# KiCad board B-Sides 2024.kicad_pcb (continued)
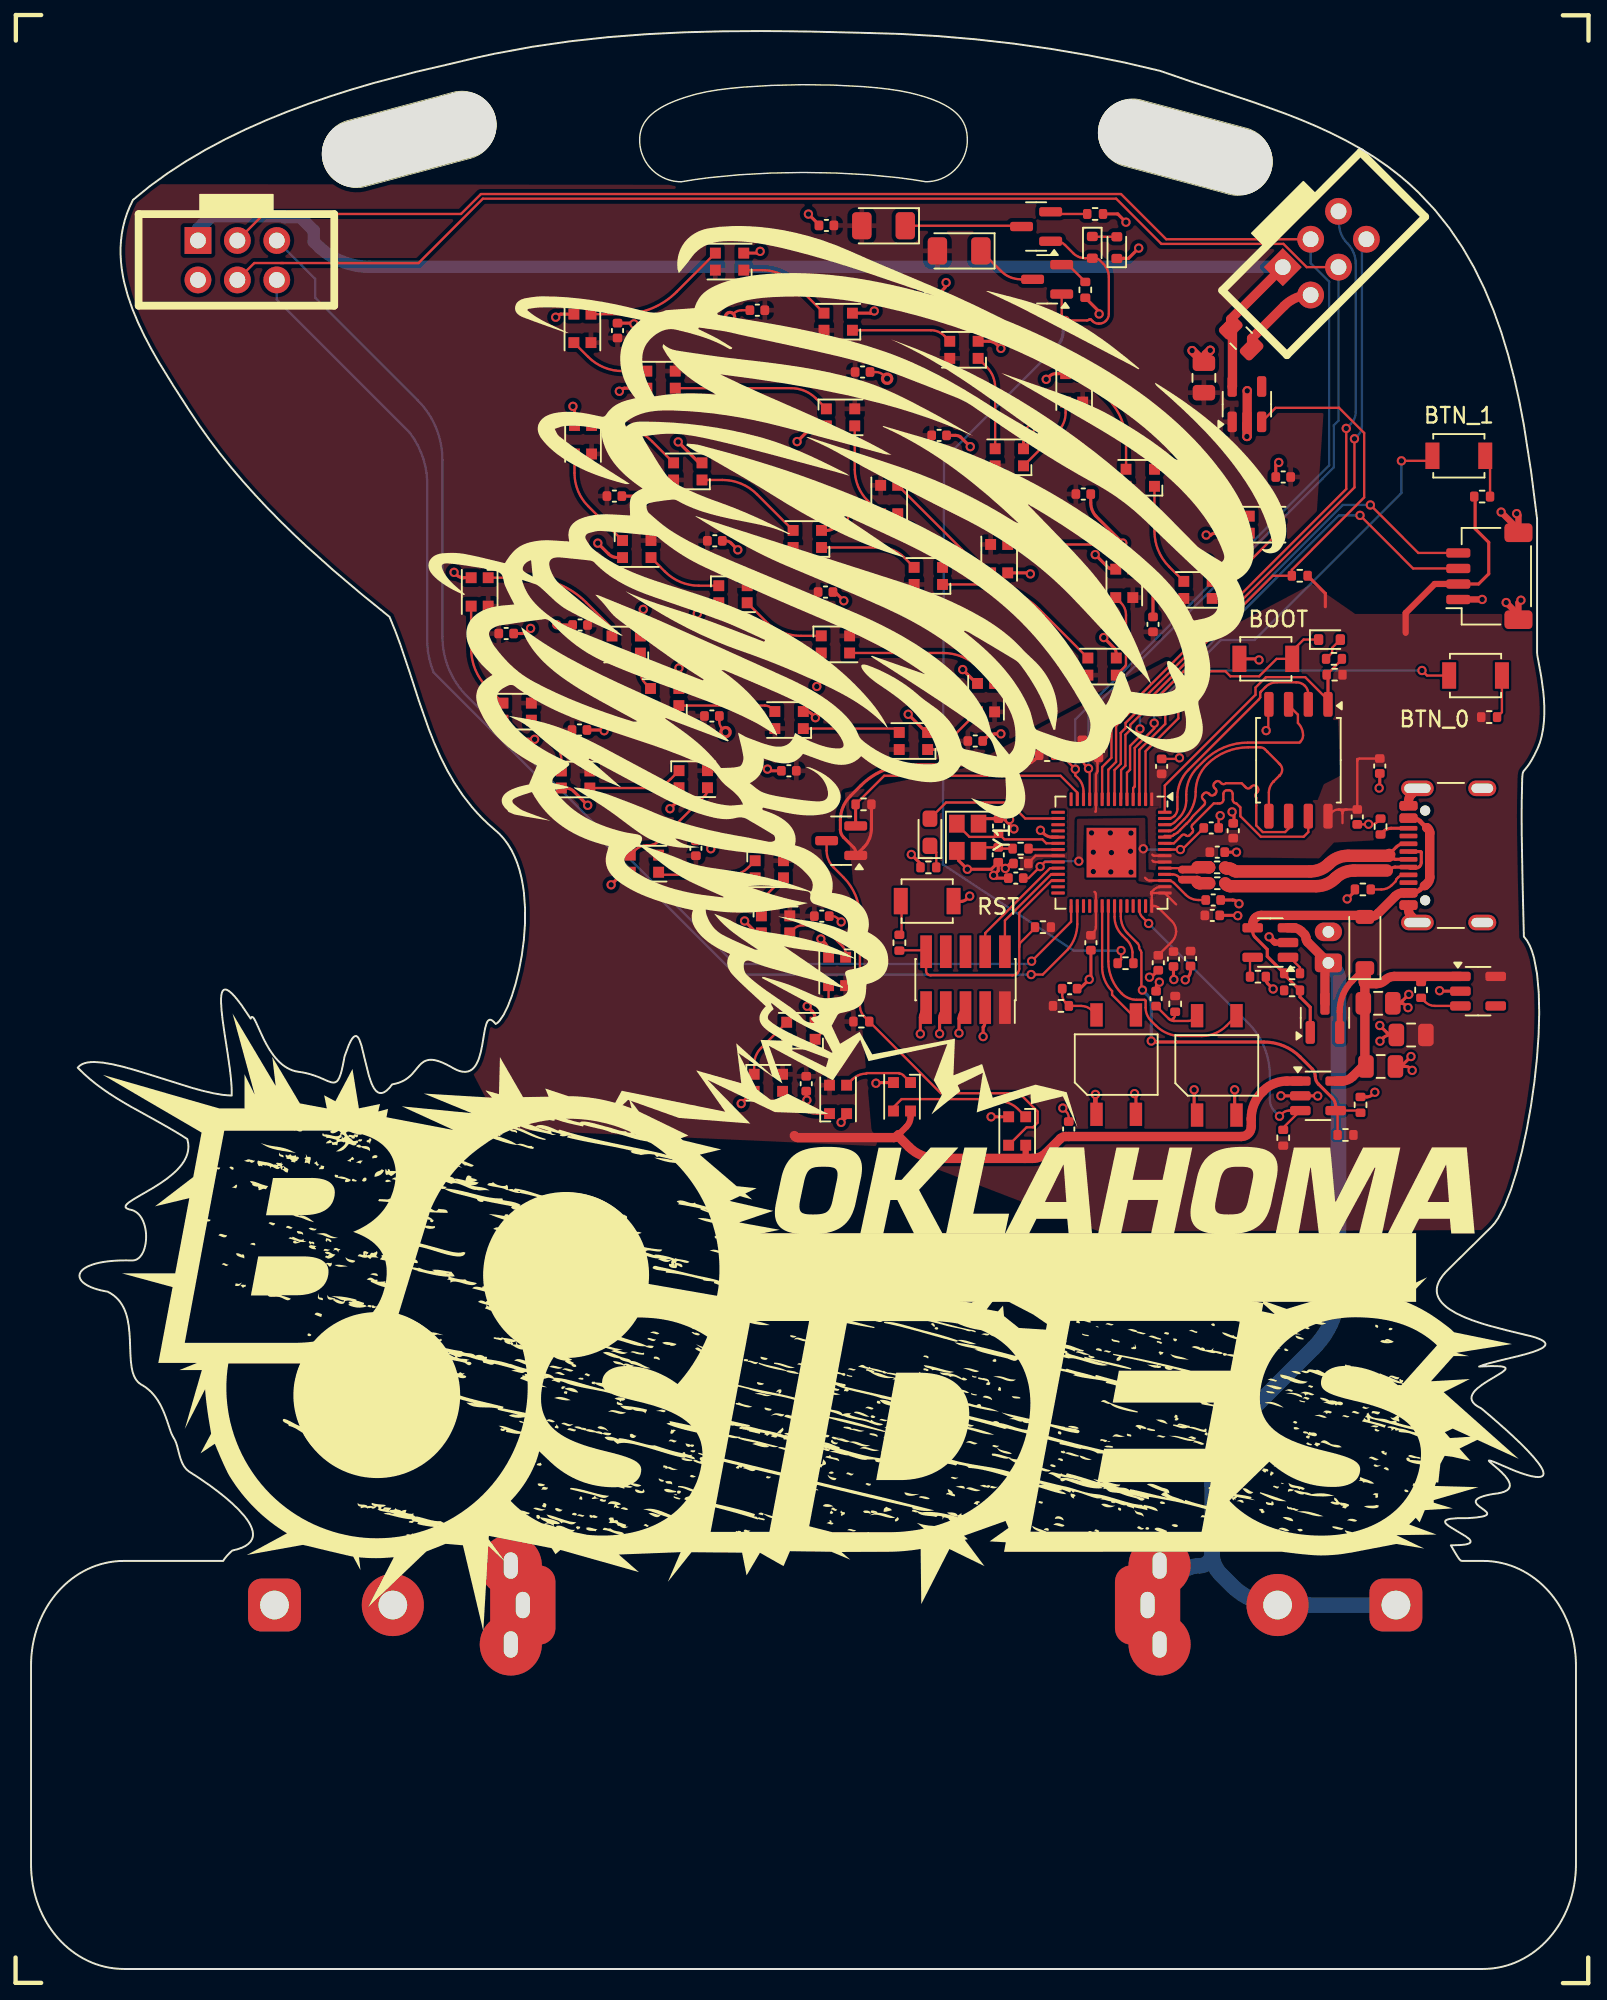
[diagram p0: board, top side]
## Nets
+1V2: C11.1 C40.1 C41.1 U3.23 U3.45 U3.50
+3.3V: C5.1 C10.1 C17.1 C44.1 C45.1 C46.1 C47.1 C48.1 C49.1 C50.1 C51.1 C52.1 C53.1 J1.2 J13.1 Q2.1 R4.1 R8.1 R9.1 R12.1 R13.1 R14.1 R15.2 R16.1 R28.1 R29.1 R30.1 R38.1 U3.1 U3.10 U3.22 U3.33 U3.42 U3.43 U3.44 U3.48 U3.49 U4.5 U8.8
/VBAT: J2.1 J10.1 Q4.3 U7.3
GND: C1.2 C2.2 C3.2 C4.2 C5.2 C6.2 C7.2 C8.2 C10.2 C11.2 C12.2 C13.2 C14.2 C15.2 C16.2 C17.2 C18.2 C19.2 C20.2 C21.2 C22.2 C23.2 C24.2 C25.2 C26.2 C27.2 C28.2 C29.2 C30.2 C31.2 C32.2 C33.2 C40.2 C41.2 C42.1 C43.2 C44.2 C45.2 C46.2 C47.2 C48.2 C49.2 C50.2 C51.2 C52.2 C53.2 D4.1 D5.2 D6.2 D7.2 D9.2 D10.2 D11.2 D12.2 D13.2 D14.2 D15.2 D16.2 D17.2 D18.2 D19.2 D20.2 D21.2 D22.2 D23.2 D24.2 D25.2 D26.2 D27.2 D28.2 D29.2 D30.2 D31.2 D32.2 D33.2 D34.2 D35.2 D36.2 D37.2 D39.2 D40.2 D41.2 D42.2 D43.2 D44.2 D45.2 D46.2 J1.1 J1.MP J3.2 J4.2 J5.1 J9.A1 J9.A12 J9.B1 J9.B12 J9.S1 J10.2 J13.3 J13.5 J13.7 J13.9 R1.1 R3.2 R10.2 R11.2 R18.2 R19.2 R26.1 R39.2 SW1.1 SW2.2 U1.1 U1.2 U2.2 U3.19 U3.57 U4.2 U7.2 U8.4 U9.1 U9.2 U10.2 Y1.2 Y1.4
/A0: U3.38
/A1: U3.39
/A2: R8.2 U3.40 U10.3
/A3: U3.41
/Battery_VIN: C4.1 C16.1 D48.1 Q4.2 R5.1 U4.1 U10.5
/CS/MISO_0: J3.5 U3.29
/CS/MISO_1: J4.5 U3.9
/D4: J4.6 U3.8
/D6: J3.4 J4.4 R29.2 U3.11
/D9: J3.3 J4.3 R30.2 U3.12
/D10: Q2.2 R38.2 U3.13
/D11: U3.14
/D12: U3.15
/D13: D2.2 U3.16
/D24: R2.1 U3.36
/D25: R3.1 R4.2 U3.37 U10.4
/D+: J9.A6 J9.B6 R24.1
/D-: J9.A7 J9.B7 R25.1
/DIO: D30.3 Q2.3 R37.1
/DIO_1: D22.3 D37.1
/DIO_2: D14.3 D29.1
/DIO_3: D5.3 D21.1
/DIO_4: D13.1 D39.3
/GPIO0: SW4.1 U3.2
/GPIO1: SW3.1 U3.3
/GPIO2: J1.3 U3.4
/GPIO3: J1.4 U3.5
/GPIO4: D1.1 SW1.2 U3.6
/GPIO5: R13.2 U2.3 U3.7
/GPIO14: U3.17
/GPIO15: U3.18
/GPIO16: U3.27
/GPIO17: U3.28
/GPIO19: J3.6 U3.30
/GPIO20: U3.31
/GPIO21: U3.32
/GPIO22: U1.3 U3.34
/GPIO23: U3.35 U9.3
/LED_VIN: C3.1 C6.1 C7.1 C12.1 C13.1 C14.1 C15.1 C18.1 C19.1 C20.1 C21.1 C22.1 C23.1 C24.1 C25.1 C26.1 C27.1 C28.1 C29.1 C30.1 C31.1 C32.1 C33.1 D5.4 D6.4 D7.4 D9.4 D10.4 D11.4 D12.4 D13.4 D14.4 D15.4 D16.4 D17.4 D18.4 D19.4 D20.4 D21.4 D22.4 D23.4 D24.4 D25.4 D26.4 D27.4 D28.4 D29.4 D30.4 D31.4 D32.4 D33.4 D34.4 D35.4 D36.4 D37.4 D39.4 D40.4 D41.4 D42.4 D43.4 D44.4 D45.4 D46.4 LD1.2 LD2.2 R37.2 U2.1 U10.1
/RESET: J13.10 R6.2 R15.1 U3.26
/SAO_VIN: C8.1 J3.1 J4.1 U2.5
/SD0: U3.53 U8.5
/SD1: U3.55 U8.2
/SD2: U3.54 U8.3
/SD3: U3.51 U8.7
/spi_clk: U3.52 U8.6
/SPI_CS: R7.2 R28.2 U3.56 U8.1
/SWCLK: J13.4 U3.24
/SWD: J13.2 U3.25
/USB_D+: NT5.2 R24.2
/USB_D-: NT6.2 R25.2
/V_USB: D48.2 J9.A4 J9.A9 J9.B4 J9.B9 Q4.1 R17.1 R39.1 U7.4
/XIN: C43.1 U3.20 Y1.1
/XOUT: R36.1 U3.21
Net-(C42-Pad2): C42.2 R36.2 Y1.3
Net-(D1-A): D1.2 R7.1
Net-(D2-K): D2.1 R1.2
Net-(D3-A): D3.2 Q1.1 Q3.1 R2.2
Net-(D3-K): D3.1 D4.2
Net-(D5-DOUT): D5.1 D6.3
Net-(D6-DOUT): D6.1 D7.3
Net-(D7-DOUT): D7.1 D9.3
Net-(D10-DIN): D9.1 D10.3
Net-(D10-DOUT): D10.1 D11.3
Net-(D11-DOUT): D11.1 D12.3
Net-(D12-DOUT): D12.1 D13.3
Net-(D14-DOUT): D14.1 D15.3
Net-(D15-DOUT): D15.1 D16.3
Net-(D16-DOUT): D16.1 D17.3
Net-(D17-DOUT): D17.1 D18.3
Net-(D18-DOUT): D18.1 D19.3
Net-(D19-DOUT): D19.1 D20.3
Net-(D20-DOUT): D20.1 D21.3
Net-(D22-DOUT): D22.1 D23.3
Net-(D23-DOUT): D23.1 D24.3
Net-(D24-DOUT): D24.1 D25.3
Net-(D25-DOUT): D25.1 D26.3
Net-(D26-DOUT): D26.1 D27.3
Net-(D27-DOUT): D27.1 D28.3
Net-(D28-DOUT): D28.1 D29.3
Net-(D30-DOUT): D30.1 D31.3
Net-(D31-DOUT): D31.1 D32.3
Net-(D32-DOUT): D32.1 D33.3
Net-(D33-DOUT): D33.1 D34.3
Net-(D34-DOUT): D34.1 D35.3
Net-(D35-DOUT): D35.1 D36.3
Net-(D36-DOUT): D36.1 D37.3
Net-(D39-DOUT): D39.1 D40.3
Net-(D40-DOUT): D40.1 D41.3
Net-(D41-DOUT): D41.1 D42.3
Net-(D42-DOUT): D42.1 D43.3
Net-(D43-DOUT): D43.1 D44.3
Net-(D44-DOUT): D44.1 D45.3
Net-(D45-DOUT): D45.1 D46.3
Net-(J9-CC1): J9.A5 R19.1
Net-(J9-CC2): J9.B5 R18.1
Net-(LD1-C): LD1.1 Q1.3
Net-(LD2-C): LD2.1 Q3.3
Net-(Q1-E): Q1.2 R11.1
Net-(Q3-E): Q3.2 R10.1
Net-(R6-Pad1): R6.1 SW2.1
Net-(R14-Pad2): R14.2 SW3.2
Net-(R16-Pad2): R16.2 SW4.2
Net-(U1-Vs): C1.1 R12.2 U1.4
Net-(U3-USB_DM): NT6.1 U3.46
Net-(U3-USB_DP): NT5.1 U3.47
Net-(U4-EN): R5.2 U4.3
Net-(U7-CEN): R17.2 U7.1
Net-(U7-PROG): R26.2 U7.5
Net-(U9-Vs): C2.1 R9.2 U9.4

Pads without a net: D46 1; J9 A8 B8; J13 6 8; U2 4; U4 4

## Via types
v1: diameter 0.6, hole 0.35, Top to Bottom, 149 vias
v2: diameter 0.8, hole 0.4, Top to Bottom, 3 vias

## Routing (per net, layer and track width the routed paths; a pad name or vN(x,y) marks a point on that pad's centre or on a via; arc(x,y) is an arc through that point)
+1V2: length 15.2
  Top w0.15: U3.23 65.31,71.29 v1(65.01,70.99) 64.27,70.25 C40.1 ; C41.1 74.2,72.13 arc(74.16,72.1) 74.11,72.09 v1(74.05,72.09) U3.50 ; C11.1 75.21,68.84 arc(74.77,68.92) 74.39,69.17 73.64,69.93 arc(73.46,70.04) 73.26,70.09 72.08,70.09 arc(71.96,70.11) 71.86,70.18 71.77,70.27
  Bottom w0.15: v1(74.05,72.09) 71.74,72.09 arc(71.71,72.09) 71.68,72.11 v1(71.66,72.14) ; v1(67.5,71.34) 65.36,71.34 v1(65.01,70.99)
+3.3V: length 64.5
  Top w0.15: 84.49,74.41 84.49,73.79 ; 84.49,74.41 arc(84.42,74.59) 84.24,74.67 ; 84.49,74.41 arc(84.56,74.59) 84.74,74.67 ; R29.1 68.77,78.13 ; 68.57,74.53 68.59,74.54 arc(68.6,74.56) 68.61,74.58 U3.10 68.61,76.89 arc(68.62,76.96) 68.66,77.01 arc(68.69,77.07) 68.71,77.13 68.71,77.66 arc(68.69,77.72) 68.66,77.78 68.61,77.83 ; 85.44,77.79 85.44,77.92 arc(85.46,77.89) 85.49,77.9 ; 85.44,77.79 C10.1 84.74,74.67 ; 85.44,77.79 arc(85.45,77.85) 85.49,77.9 ; C50.1 73.5,66.15 arc(73.7,66.45) 73.77,66.81 arc(73.7,67.17) 73.5,67.48 72.64,68.33 arc(72.52,68.42) 72.37,68.45 U3.42 72.21,69.14 arc(72.19,69.2) 72.16,69.24 ; 73.77,68.56 U3.43 72.18,69.29 ; 72.24,71.38 72.29,71.33 arc(72.34,71.3) 72.4,71.29 U3.48 ; 68.51,69.37 68.56,69.32 arc(68.59,69.27) 68.61,69.21 U3.33 68.61,67.12 arc(68.56,66.9) 68.44,66.73 C48.1 ; 72.16,69.33 72.34,69.5 arc(72.54,69.64) 72.78,69.69 U3.44 ; 72.16,69.33 arc(72.15,69.29) 72.16,69.24 ; 72.16,69.33 arc(72.16,69.3) 72.18,69.29 ; 72.24,71.76 72.28,71.72 arc(72.32,71.69) 72.36,71.69 U3.49 ; 84.74,74.67 84.24,74.67 ; 72.18,69.29 arc(72.16,69.27) 72.16,69.24 ; C46.1 64.25,71.22 64.72,71.69 U3.22 ; 84.24,74.67 arc(84.01,74.62) 83.81,74.49 U8.8 ; C17.1 85.6,77.95 arc(85.54,77.93) 85.49,77.9
  Top w0.2: J1.2 93.26,89.19 93.91,89.84 93.91,91.87 93.04,92.74 93.04,94.76 R14.1 ; R38.1 54.14,73.43 arc(54.01,72.77) 53.64,72.21 53.27,71.84 arc(53.18,71.82) 53.13,71.9 arc(53.1,72.07) 53,72.22 52.35,72.87 arc(52.2,73.1) 52.14,73.36 52.14,73.98 arc(52.31,74.82) 52.78,75.53 53.47,76.22 arc(54.95,77.2) 56.68,77.55 63.89,77.55 arc(64.3,77.63) 64.64,77.86 R30.1 ; 83.39,87.72 83.39,88.58 R13.1
  Top w0.4: 88.56,86.04 88.56,87.32 90.43,89.19 J1.2
/VBAT: length 71.9
  Top w0.6: 83.36,64.57 Q4.3 ; U7.3 81.3,67.05 arc(81.59,66.99) 81.84,66.82 82.04,66.62 arc(82.12,66.51) 82.14,66.37 arc(82.17,66.24) 82.25,66.12 J10.1
  Bottom w1: 71.96,23.43 71.96,21.66 72.73,20.89 ; 71.96,23.43 72.73,24.2 72.73,25.97 ; 71.96,23.43 73.93,25.4 arc(74.56,25.82) 75.3,25.97 arc(75.86,26.2) 76.09,26.76 ; 76.09,26.76 76.09,31.2 arc(76.51,33.28) 77.69,35.05 82.64,40 arc(83.82,41.77) 84.23,43.85 84.23,63.68 arc(84.15,64.1) 83.91,64.46 J10.1 ; 76.09,26.76 arc(76.24,26.03) 76.66,25.4 77.36,24.7 arc(78.77,23.76) 80.43,23.43 87.96,23.43
GND: length 175.1
  Top w0.15: v2(55.15,102.41) 54.94,102.62 arc(54.7,102.78) 54.42,102.84 C25.2 ; 79.71,81.12 79.71,79.89 v1(79.57,79.75) ; C15.2 51.62,67.8 arc(51.81,67.76) 51.96,67.65 v1(52.19,67.43) ; C32.2 66.85,54.81 arc(66.81,55.04) 66.68,55.23 v1(66.47,55.44) ; v2(45.03,106.38) 45.25,106.6 arc(45.5,106.76) 45.78,106.82 C30.2 ; R18.2 86.73,73.86 arc(86.57,73.75) 86.38,73.72 v1(86.17,73.72) 86.17,73.71 arc(86.16,73.71) 86.16,73.71 C10.2 ; v1(76.61,74.27) 76.56,74.22 arc(76.53,74.16) 76.51,74.09 C41.2 ; v2(44.74,79.65) 44.54,79.85 arc(44.4,80.07) 44.34,80.33 C18.2 ; v1(73.99,77.99) 73.92,77.92 C51.2
  Top w0.2: C40.2 62.19,70.25 v1(62.01,70.43) 62.31,70.73 C42.1 61.86,70.82 v1(60.32,70.82) 59.77,71.37 59.77,72.15 ; D24.2 34.46,76.05 arc(34.73,75.99) 34.96,75.84 v1(35.86,74.94) ; D45.2 76.1,90.34 v1(75.78,90.66) ; D18.2 37.78,90.89 arc(37.47,90.95) 37.21,91.12 v1(36.51,91.82) ; v1(86.9,59.75) 87.1,59.95 arc(87.32,60.09) 87.59,60.15 87.73,60.15 arc(87.52,60.19) 87.34,60.31 v1(86.89,60.76) ; v1(88.98,57.87) 88.86,57.99 arc(88.72,58.08) 88.56,58.12 C16.2 ; D31.2 54.51,57.08 arc(54.48,57.07) 54.46,57.06 v1(54.43,57.04) ; v1(42.92,87.27) 43.39,87.74 arc(43.66,87.91) 43.97,87.98 D17.2 ; v1(45.75,55.73) 46.54,56.52 ; D35.2 51.38,65.49 arc(51.32,65.8) 51.14,66.06 v1(50.88,66.33) ; D13.2 34.14,106.56 arc(34.01,106.53) 33.9,106.46 v1(33.8,106.37) ; v1(50.62,82.59) 50.77,82.73 arc(50.87,82.89) 50.91,83.07 D16.2 ; v1(45.53,91.39) 45.1,91.82 arc(44.94,91.93) 44.74,91.97 C24.2 ; v1(45.9,69.58) 46.59,70.27 ; v1(62.48,104.36) 62.25,104.59 arc(62,104.76) 61.7,104.82 D41.2 ; R3.2 86.06,56.16 arc(86.26,56.19) 86.42,56.31 v1(86.57,56.46) ; 67.57,63.13 v1(68.17,63.73) 68.23,63.78 arc(68.27,63.84) 68.28,63.91 C48.2 ; v1(58.2,91.55) 58.48,91.55 58.64,91.39 arc(58.7,91.27) 58.72,91.14 D5.2 ; J13.9 57.48,61.72 arc(57.34,61.52) 57.29,61.27 v1(57.29,60.22) ; v1(50,62) 50.33,61.67 arc(50.47,61.47) 50.51,61.23 D34.2 ; C13.2 33.91,86.55 arc(33.89,86.55) 33.88,86.56 v1(33.87,86.57) ; v1(86.85,76.05) 86.87,76.07 arc(86.89,76.09) 86.89,76.11 C17.2 ; D46.2 76.3,92.46 arc(76.15,92.43) 76.03,92.37 76,92.34 v1(75.71,92.34) ; v1(41.16,74.72) 41.48,75.03 arc(41.68,75.33) 41.75,75.68 D23.2 ; v1(36.92,79.74) 36.9,79.76 arc(36.87,79.78) 36.84,79.79 C22.2 ; C11.2 77.41,68.84 arc(77.57,68.8) 77.7,68.72 v1(77.82,68.6) ; v1(70.54,112.48) 70.01,113.02 R10.2 ; v1(49.35,98.36) 50.05,99.06 arc(50.4,99.28) 50.8,99.37 D11.2 ; D6.2 69.92,84.67 arc(69.89,84.87) 69.79,85.05 69.11,85.73 v1(69.11,85.74) ; C43.2 62.98,74.08 v1(63.04,74.02) ; C43.2 61.37,74.08 60.92,73.63 60.92,73.6 ; C43.2 62.66,74.08 v1(63.32,73.42) ; v1(52.4,93.44) 51.84,92.87 arc(51.58,92.7) 51.27,92.64 50.93,92.64 ; v1(64.38,89.84) 64.35,89.87 arc(64.31,89.89) 64.27,89.9 D9.2 ; v1(52.36,88.11) 51.8,88.67 ; C12.2 61.54,79.31 arc(61.8,79.48) 62.1,79.54 v1(62.48,79.54) ; D29.2 49.94,80.98 arc(50.12,80.94) 50.27,80.84 v1(50.53,80.58) ; v1(72.69,63.55) 72.59,63.44 arc(72.51,63.32) 72.48,63.19 C2.2 ; C47.2 74.7,64.28 arc(74.66,64.05) 74.53,63.87 v1(74.36,63.7) ; v1(60.51,98.03) 60.51,98.03 59.89,98.64 arc(59.73,98.73) 59.56,98.76 C26.2 ; J13.3 61.47,61.07 arc(61.45,60.87) 61.38,60.69 61.34,60.65 v1(61.34,60.04) ; U3.19 65.78,72.89 arc(65.5,72.94) 65.25,73.11 v1(65.03,73.33) ; D12.2 38.24,101.8 arc(38.11,101.77) 38,101.7 v1(37.9,101.6) ; v1(68.81,106.58) 68.81,106.65 arc(68.8,106.72) 68.76,106.78 R11.2 ; C29.2 39.17,94.85 arc(39.27,94.83) 39.34,94.78 v1(39.41,94.71) ; v1(62.77,70.87) 63.08,71.19 C46.2 ; 92.09,62.97 90.8,62.97 arc(90.78,62.97) 90.76,62.98 v1(90.75,63) ; v1(46.97,110.61) 46.92,110.55 arc(46.86,110.51) 46.79,110.5 D39.2 ; v1(38.84,105.94) 38.82,105.96 arc(38.79,105.98) 38.76,105.99 37.94,105.99 ; D43.2 66.03,102.73 arc(65.79,102.68) 65.59,102.55 v1(65.4,102.37) ; v1(68.99,79.81) 68.88,79.7 arc(68.8,79.57) 68.77,79.43 C53.2 ; R26.1 79.55,63.74 arc(79.58,63.59) 79.67,63.46 v1(80.02,63.11) ; v1(47.44,77.27) 47.5,77.21 arc(47.56,77.17) 47.63,77.16 C27.2 ; D26.2 27.84,89.59 arc(27.62,89.63) 27.43,89.76 v1(27.25,89.94) ; C31.2 49.94,56.01 arc(49.95,55.99) 49.96,55.97 v1(49.98,55.95) ; v1(72.42,89.04) 72.28,88.91 C23.2 ; v1(50.08,113.01) 50.76,112.33 ; C52.2 73.6,63.75 arc(73.61,63.74) 73.61,63.73 v1(73.63,63.72) ; v1(58.95,108.6) 58.95,108.47 arc(58.93,108.35) 58.86,108.26 58.2,107.6 ; D40.2 54.08,106.63 arc(54.18,106.64) 54.25,106.7 v1(54.32,106.77) ; v1(88.9,58.76) 88.26,58.12 ; v1(32.18,86.33) 32.02,86.16 arc(31.84,86.04) 31.62,86 C28.2 ; v1(61.85,54.88) D30.2 ; C20.2 68.27,94.43 arc(68.35,93.97) 68.59,93.57 70.34,91.82 v1(70.34,91.82) ; v1(79.11,84.3) 79.04,84.37 SW1.1 ; v1(45.97,67.49) 46.63,66.82 arc(46.75,66.74) 46.9,66.72 D36.2 ; v1(58.53,60.23) 58.53,61.22 arc(58.59,61.48) 58.73,61.71 J13.7 ; J13.5 59.99,61.7 arc(59.84,61.46) 59.78,61.19 v1(59.78,60.27) ; v1(72.06,63.87) 72.12,63.87 arc(72.17,63.88) 72.21,63.91 C50.2 ; v1(56.51,80.8) 57.68,79.63 ; D27.2 39.26,87.24 arc(39.28,87.36) 39.35,87.46 v1(39.44,87.56) ; 35.01,99.39 35.01,100.45 arc(35,100.52) 34.96,100.58 v1(34.91,100.63) ; U9.2 77.54,55.11 v1(77.54,56.62) ; D22.2 38.39,70.63 arc(38.2,70.59) 38.03,70.48 v1(37.37,69.82) ; v1(74.93,56.62) 74.93,55.18 ; v1(41.74,83.78) 41.74,83.77 arc(41.74,83.77) 41.74,83.77 D28.2 ; D42.2 63.94,98.39 arc(64,98.68) 64.16,98.93 v1(64.38,99.15) ; C21.2 80.19,96.82 v1(80.39,97.01) ; v1(60.02,83.68) 60.92,82.78 ; 70.4,110.17 70.39,110.16 arc(70.38,110.15) 70.37,110.15 D4.1 70.69,110.15 v1(71.36,110.82) ; v1(82.89,56.22) 82.89,56.22 arc(82.88,56.22) 82.88,56.23 U10.2 v1(80.52,56.23) ; v1(43.79,72.14) 43.44,72.49 arc(43.27,72.6) 43.06,72.65 C33.2 ; v1(32.44,79.19) 32.04,79.19 arc(31.66,79.26) 31.35,79.47 D25.2 ; v1(41.69,98.34) 43.04,96.99 ; v1(71.09,56.37) 71.14,56.32 arc(71.17,56.27) 71.18,56.21 U1.2 ; R1.1 57.3,71.18 v1(56.71,71.77) ; D32.2 52.54,54.98 arc(52.52,54.88) 52.47,54.8 v1(52.19,54.52) ; SW2.2 59.45,68.75 59.97,68.75 arc(60.15,68.8) 60.3,68.92 v1(60.47,69.09) ; v1(77.74,67.83) 77.73,67.84 arc(77.72,67.84) 77.71,67.85 C44.2 ; v1(56.59,92.73) 55.84,93.48 ; 77.5,73.83 77.5,74.38 v1(77.38,74.51) ; v1(88.71,61.91) 88.57,62.05 arc(88.42,62.15) 88.24,62.19 87.96,62.19 arc(88.18,62.23) 88.36,62.35 v1(88.76,62.76) ; v1(84.79,68.91) 85.29,69.41 ; v1(68.56,91.08) 68.56,91.08 69.41,90.23 arc(69.54,90.16) 69.69,90.14 D7.2 ; v1(73.42,97.04) 73.42,96.52 73.37,96.47 arc(73.17,96.55) 72.96,96.58 D44.2 ; v1(77.66,71.92) C45.2
  Top w0.3: v1(68.57,56.32) 68.57,55.11
  Top w0.4: v1(94.71,93.82) 95.83,92.7 J1.MP 95.83,93.6 v1(95.71,93.72) ; U7.2 80.16,66.1 arc(80.13,66.1) 80.11,66.11 79.76,66.45 v1(79.76,66.47) ; v1(93.49,88.19) 91.96,88.19 J1.1 ; v1(95.99,88.14) 95.83,87.98 J1.MP 95.83,87.2 v1(95.04,87.99)
  Top w0.6: C8.2 78.63,105 80.73,107.09 arc(81.53,107.63) 82.47,107.82 ; v1(78.35,101.63) 78.35,98.71 v1(78.33,98.69) ; J9.S1 88.94,75.64 arc(88.79,75.43) 88.74,75.18 arc(88.66,74.98) 88.47,74.91 ; v1(75.97,104.24) 75.71,103.97 arc(75.6,103.81) 75.56,103.62 75.56,103.43 arc(75.56,103.45) 75.55,103.47 v1(74.8,104.22) ; J9.A1 88.74,68.23 arc(88.79,67.98) 88.94,67.77 J9.S1
  Bottom w0.6: 78.33,99.52 v1(78.33,98.69)
  vias: v1(68.32,73.16) v1(68.44,71.92) v1(68.44,70.67) v1(69.53,73.16) v1(69.61,71.89) v1(69.56,70.65) v1(70.86,73.15) v1(70.83,71.98) v1(70.86,70.63)
/A2: length 20
  Top w0.15: U3.40 71.41,68.19 arc(71.45,67.94) 71.59,67.74 v1(72,67.33) ; 80.67,54.17 U10.3 81.05,55.28 arc(80.82,55.23) 80.61,55.09 v1(80.43,54.91)
  Bottom w0.15: v1(80.43,54.91) 80.12,55.22 arc(79.89,55.57) 79.81,55.97 79.81,57.52 arc(79.45,59.36) 78.4,60.92 v1(72,67.33)
/Battery_VIN: length 22.2
  Top w0.4: R5.1 89.74,63.74 arc(89.93,63.87) 90.17,63.92 92.09,63.92 ; Q4.2 84.31,61.68 arc(84.52,62.74) 85.12,63.64 D48.1
  Top w0.6: 85.93,63.46 85.93,58.26 85.14,57.46 arc(84.82,57.25) 84.45,57.18 U10.5 ; 85.93,63.46 85.93,63.55 ; 85.93,63.46 arc(85.94,63.48) 85.96,63.48 arc(86,63.45) 86.04,63.45 86.68,63.45 arc(86.99,63.51) 87.25,63.68 arc(87.51,63.85) 87.82,63.92 92.09,63.92
  Top w0.8: D48.1 85.93,63.55 arc(85.94,63.51) 85.96,63.48
/CS/MISO_0: length 82.2
  Top w0.15: U3.29 67.01,67.44 v1(64.46,64.9)
  Bottom w0.15: J3.5 18.3,108.84 18.3,107.63 24.91,101.02 arc(26.09,99.25) 26.5,97.17 26.5,85.8 arc(26.92,83.72) 28.1,81.95 45.33,64.72 64.28,64.72 v1(64.46,64.9)
/CS/MISO_1: length 44.9
  Top w0.15: U3.9 69.01,77.4 69.61,78 69.61,80.17 84.73,95.3 v1(84.73,99.21)
  Bottom w0.15: 84.27,113.2 84.27,112.42 arc(84.41,111.72) 84.81,111.12 arc(85.2,110.53) 85.34,109.82 85.34,100.25 arc(85.26,99.85) 85.04,99.51 v1(84.73,99.21)
/D4: length 42.9
  Top w0.15: v1(85.26,98.54) 85.26,95.41 69.91,80.05 69.91,77.73 69.41,77.23 U3.8
  Bottom w0.15: J4.6 85.74,111.1 85.74,99.35 arc(85.68,99.04) 85.5,98.78 v1(85.26,98.54)
/D6: length 117.8
  Top w0.15: J3.4 14.38,109.85 16.25,109.85 ; U3.11 68.21,77.17 arc(68.2,77.22) 68.17,77.26 v1(68.13,77.3) 67.9,77.53 arc(67.78,77.71) 67.74,77.91 R29.2 ; J4.4 82.18,109.59 80.69,111.09 72.82,111.09 69.91,114 29.11,114 24.97,109.85 16.09,109.85 ; 83.51,109.61 84.27,109.61
  Bottom w0.15: J4.4 84.24,99.71 83.93,99.4 83.93,96.7 83.19,95.96 83.19,95.95 68.13,80.89 v1(68.13,77.3)
/D9: length 117.5
  Top w0.15: 13.29,112.05 J3.3 15,113.02 27.7,113.02 28.98,114.3 70.22,114.3 73.13,111.39 J4.3 ; 82.42,111.41 82.47,111.41 ; U3.12 67.81,75.83 arc(67.71,76.29) 67.45,76.69 67.28,76.86 v1(67.28,77.26) 66.52,78.02 arc(66.36,78.13) 66.17,78.17 arc(66.1,78.11) 66.11,78.02
  Bottom w0.15: J4.3 82.44,109.85 83.63,108.65 83.63,96.83 67.28,80.47 v1(67.28,77.26)
/D10: length 17.3
  Top w0.15: R38.2 54.96,76.84 66.33,76.84 67.41,75.76 U3.13
  Top w0.2: R38.2 53.12,73.61
/D13: length 9.1
  Top w0.15: U3.16 64.05,74.09 63.02,75.12 58.96,75.12 D2.2
/D24: length 4.1
  Top w0.15: U3.36 69.81,67.75 arc(69.93,67.11) 70.3,66.57 70.59,66.28 arc(70.85,65.91) 70.96,65.47 70.96,64.83 R2.1
/D25: length 26.3
  Top w0.15: 84.35,55.28 85.51,55.28 ; U3.37 70.21,67.79 arc(70.33,67.18) 70.67,66.66 71.3,66.04 arc(71.36,65.94) 71.39,65.82 71.39,65.79 arc(71.41,65.69) 71.46,65.61 arc(71.51,65.53) 71.53,65.44 71.53,63.15 arc(71.54,63.11) 71.57,63.07 v1(71.6,63.04) ; R4.2 84.17,55.15
  Top w0.2: v1(72.17,59.76) 72.21,59.72 arc(72.24,59.7) 72.28,59.69 79.44,59.69 arc(80.7,59.44) 81.77,58.73 82.53,57.96 arc(82.69,57.74) 82.74,57.47 arc(82.79,57.21) 82.94,56.98 83.84,56.08 arc(84,55.85) 84.05,55.57 arc(84.14,55.36) 84.35,55.28
  Bottom w0.2: v1(72.17,59.76) 72.17,62.06 arc(72.1,62.43) 71.89,62.75 v1(71.6,63.04)
/D+: length 14
  Top w0.2: J9.A6 87.89,71.46 arc(87.74,71.48) 87.62,71.57 87.54,71.64 ; 87.54,71.64 arc(87.52,71.69) 87.51,71.74 arc(87.52,71.79) 87.54,71.83 87.96,72.25 arc(88.19,72.4) 88.46,72.46 J9.B6 ; 87.54,71.64 arc(87.5,71.67) 87.45,71.68
  Top w0.8: R24.1 76.96,70.9 arc(77,70.87) 77.04,70.87 77.19,70.87 arc(77.32,70.84) 77.42,70.77 arc(77.53,70.7) 77.65,70.68 82.41,70.68 arc(83.07,70.81) 83.62,71.18 arc(84.18,71.55) 84.84,71.68 87.45,71.68 arc(87.49,71.7) 87.51,71.74
/D-: length 14.8
  Top w0.2: J9.A7 89.5,71.96 arc(89.53,71.95) 89.55,71.94 arc(89.56,71.91) 89.57,71.89 89.57,71.26 arc(89.54,71.11) 89.46,70.99 arc(89.34,70.91) 89.19,70.88 88.87,70.88 arc(88.82,70.89) 88.78,70.92 arc(88.74,70.95) 88.69,70.96 87.89,70.96 arc(87.74,70.93) 87.62,70.84 arc(87.49,70.76) 87.35,70.73
  Top w0.8: R25.1 77.03,69.82 arc(77.13,69.75) 77.26,69.73 82.8,69.73 arc(83.46,69.86) 84.02,70.23 arc(84.58,70.6) 85.23,70.73 87.35,70.73
/DIO: length 29
  Top w0.15: D30.3 64.14,54.2 64.55,54.2 64.85,54.5 64.85,55.21 63.67,56.39 58.62,56.39 R37.1 53.7,61.31 arc(53.48,61.64) 53.4,62.03 53.4,67.72 arc(53.12,69.12) 52.33,70.31 51.71,70.93 arc(51.37,71.43) 51.26,72.02 Q2.3
/DIO_1: length 6.4
  Top w0.15: D37.1 46.2,70.91 arc(45.69,70.58) 45.1,70.46 40.6,70.46
/DIO_2: length 5.9
  Top w0.15: D29.1 55.68,79.88
/DIO_3: length 6.4
  Top w0.15: D5.3 56.25,90.9 arc(55.54,91.37) 54.71,91.54 50.93,91.54
/DIO_4: length 9.4
  Top w0.15: D39.3 41.6,108 arc(40,106.93) 38.11,106.56 D13.1
/GPIO0: length 25.7
  Top w0.15: v1(73.91,81.9) 73.91,80.53 71.81,78.42 U3.2 ; SW4.1 89.94,83.29 v1(89.61,83.62)
  Bottom w0.15: v1(73.91,81.9) 75.63,83.62 v1(89.61,83.62)
/GPIO1: length 32.2
  Top w0.15: v1(88.29,97.12) 89.96,97.12 SW3.1 ; v1(73.07,81.09) 73.07,80.18 71.41,78.51 U3.3
  Bottom w0.15: v1(88.29,97.12) 88.29,95.05 78.82,85.58 76.66,85.58 73.07,81.99 v1(73.07,81.09)
/GPIO2: length 32.9
  Top w0.15: v1(85.62,93.61) 89.04,90.19 J1.3 ; U3.4 71.01,76.05 71.11,76.15 71.11,78.63 72.36,79.89 v1(72.36,80.22)
  Bottom w0.15: v1(85.62,93.61) 84.27,93.61 72.36,81.7 v1(72.36,80.22)
/GPIO3: length 33.4
  Top w0.15: v1(71.44,79.85) 71.44,79.39 70.81,78.76 70.81,77.23 70.61,77.03 U3.5 ; v1(86.29,94.27) 89.37,91.19 J1.4
  Bottom w0.15: v1(71.44,79.85) 71.44,81.21 84.51,94.27 v1(86.29,94.27)
/GPIO4: length 19.5
  Top w0.15: D1.1 81.98,85.61 81.25,84.88 ; 70.23,75.35 70.23,77.2 70.51,77.48 70.51,79.47 70.82,79.79 70.82,80.11 74.27,83.57 76.95,83.57 77.27,83.24 79.12,83.24 80.25,84.37 SW1.2
/GPIO5: length 38.6
  Top w0.15: U2.3 80.18,100.53 84.27,100.53 85.89,98.91 85.89,94.76 81.23,90.1 R13.2 80,89.72 70.52,80.24 70.52,79.91 70.21,79.6 70.21,77.6 69.81,77.2 U3.7
/GPIO19: length 81.7
  Top w0.15: v1(64.43,64.04) 65.18,64.04 66.79,65.65 arc(67.25,66.41) 67.41,67.28 U3.30
  Bottom w0.15: v1(64.43,64.04) 45.4,64.04 25.93,83.5 25.77,83.94 25.65,84.4 25.57,84.87 25.53,85.34 25.52,85.58 25.52,95.61 25.52,95.85 25.48,96.32 25.4,96.79 25.27,97.25 25.11,97.69 24.91,98.12 24.67,98.54 24.4,98.93 15.83,107.49 J3.6
/GPIO22: length 8
  Top w0.15: U3.34 69.01,64.52 arc(69.17,63.68) 69.65,62.97 69.65,62.73 70.94,61.44 U1.3
/GPIO23: length 15.2
  Top w0.15: U9.3 77.01,60.73 arc(76.28,60.25) 75.43,60.08 74.08,60.08 arc(73.21,60.25) 72.47,60.74 72.16,61.05 arc(71.9,61.45) 71.81,61.91 71.81,62.34 arc(71.79,62.39) 71.74,62.41 71.24,62.41 arc(70.71,62.51) 70.27,62.81 arc(69.63,63.77) 69.41,64.89 U3.35
/LED_VIN: length 39
  Top w0.4: 56.66,55.25 56.66,54.88 arc(56.59,54.53) 56.4,54.23 55.89,53.73 arc(55.87,53.67) 55.89,53.6 ; D30.4 64.08,52.3 arc(64.08,52.26) 64.05,52.23 arc(64.05,52.21) 64.07,52.2
  Top w0.6: 55.76,53.6 55.89,53.73 ; 55.76,53.6 arc(55.83,53.63) 55.89,53.6 56.56,52.93 arc(57.38,52.39) 58.34,52.2 63.98,52.2 ; 55.76,53.6 arc(55.69,53.55) 55.61,53.54 49.4,53.54 arc(49.31,53.55) 49.24,53.6 49.17,53.67 ; 63.98,52.2 64.53,52.2 arc(65,52.29) 65.4,52.56 66.31,53.46 arc(66.47,53.57) 66.65,53.61 C32.1 77.98,53.61 arc(78.43,53.79) 78.61,54.24 78.61,54.77 arc(78.8,55.69) 79.32,56.47 79.4,56.55 arc(80.09,57.01) 80.9,57.18 U10.1 ; 63.98,52.2 arc(64.02,52.2) 64.05,52.23
/RESET: length 17.9
  Top w0.15: J13.10 57.66,64.28 arc(57.69,64.16) 57.75,64.07 arc(57.84,64.01) 57.95,63.99 63.23,63.99 arc(63.4,64.02) 63.54,64.11 arc(63.63,64.25) 63.67,64.42 63.67,65.82 ; 64.66,67.08 64.67,67.09 R15.1 64.68,67.03 63.71,66.06 arc(63.68,65.94) 63.67,65.82 ; 57.57,65.6 55.96,65.6 R6.2 ; U3.26 65.74,70.09 63.67,68.01 63.67,65.82
/SAO_VIN: length 81.7
  Top w0.6: 80.68,109.61 80.66,109.61 77.29,106.24 C8.1 77.4,105.58 77.4,101.92 U2.5
  Bottom w0.8: J4.1 80.62,109.61 21.81,109.61 arc(20.08,109.94) 18.58,110.86 18.21,111.23 18.21,111.95 17.35,112.81 16.35,112.81 16.29,112.87 11.62,112.87 11.16,112.41 arc(11.12,112.4) 11.07,112.38 10.75,112.06 J3.1
/SD0: length 14.6
  Top w0.15: U3.53 73.29,73.29 arc(73.53,73.33) 73.72,73.46 74.3,74.04 arc(74.84,74.85) 75.03,75.8 arc(75.22,76.76) 75.76,77.57 arc(76.98,78.38) 78.42,78.67 79.18,78.67 arc(79.36,78.63) 79.5,78.54 79.66,78.38 arc(79.66,78.37) 79.66,78.37 arc(79.66,78.37) 79.66,78.37 80.44,77.59 arc(80.44,77.59) 80.45,77.59 arc(80.45,77.59) 80.45,77.59 80.46,77.58 arc(80.61,77.23) 80.46,76.87 80.45,76.86 arc(80.45,76.86) 80.45,76.86 arc(80.44,76.86) 80.44,76.86 80.04,76.46 arc(80.04,76.46) 80.04,76.45 80.04,76.45 arc(79.82,76.13) 79.75,75.75 U8.5
/SD1: length 15.2
  Top w0.15: U3.55 73.27,74.09 arc(73.48,74.13) 73.66,74.25 73.67,74.26 arc(73.81,74.46) 73.85,74.69 73.85,75.47 arc(74.04,76.43) 74.58,77.23 79.09,81.74 arc(79.15,81.81) 79.19,81.89 79.19,82.2 79.22,82.23 arc(79.23,82.25) 79.24,82.26 79.53,82.55 arc(79.87,82.78) 80.27,82.86 81.53,82.86 arc(81.82,82.8) 82.07,82.63 arc(82.23,82.39) 82.29,82.1 U8.2
/SD2: length 14.6
  Top w0.15: U8.3 81.02,81.4 arc(81.02,81.38) 81.03,81.36 81.62,80.77 81.62,80.24 arc(81.87,79.87) 81.95,79.44 arc(81.91,79.22) 81.79,79.04 81.72,78.97 78.38,78.97 arc(76.86,78.67) 75.58,77.81 75.15,77.38 arc(74.61,76.57) 74.42,75.62 74.42,75.23 arc(74.31,74.64) 73.97,74.14 73.69,73.85 arc(73.5,73.73) 73.28,73.69 U3.54
/SD3: length 14.4
  Top w0.15: U8.7 82.29,73.21 81.99,72.91 79.23,72.91 77.91,74.23 77.91,74.8 77.66,75.06 arc(77.49,75.13) 77.42,75.3 77.42,75.67 arc(77.35,75.83) 77.18,75.91 77.06,75.91 arc(76.89,75.83) 76.82,75.67 76.82,75.3 arc(76.75,75.13) 76.58,75.06 76.2,75.06 74.82,73.68 arc(74.77,73.55) 74.82,73.43 arc(74.87,73.31) 74.82,73.18 74.64,73 arc(74.52,72.95) 74.39,73 arc(74.27,73.06) 74.15,73 73.63,72.49 U3.51
/spi_clk: length 14.8
  Top w0.15: U3.52 73.04,72.96 73.55,72.96 73.62,73.04 73.64,73.04 73.85,73.16 74.02,73.33 74.02,73.34 74.42,73.74 74.43,73.74 74.65,73.96 74.87,74.25 75.58,74.96 arc(75.64,75.1) 75.58,75.25 75.5,75.33 arc(75.44,75.48) 75.5,75.63 75.57,75.7 arc(75.72,75.76) 75.87,75.7 75.95,75.62 arc(76.09,75.56) 76.24,75.62 76.31,75.69 arc(76.37,75.84) 76.31,75.99 76.23,76.07 arc(76.17,76.22) 76.23,76.36 76.31,76.44 arc(76.45,76.5) 76.6,76.44 76.68,76.36 arc(76.83,76.29) 76.98,76.36 77.99,76.36 78.27,76.08 arc(78.42,76.02) 78.57,76.08 78.65,76.16 arc(78.79,76.22) 78.94,76.16 79.01,76.08 arc(79.07,75.94) 79.01,75.79 78.93,75.71 arc(78.87,75.56) 78.93,75.42 78.93,73.64 79.36,73.21 80.79,73.21 81.02,73.44 U8.6
/SPI_CS: length 19.6
  Top w0.15: 83.7,81.58 82.09,83.18 79.56,83.18 78.89,82.52 78.89,82.06 73.04,76.21 U3.56 ; R7.2 84.45,84.33 R28.2
  Top w0.2: R28.2 83.56,83.26 U8.1
/SWCLK: length 7.6
  Top w0.15: U3.24 65.65,70.89 61.47,66.71 J13.4
/SWD: length 6.7
  Top w0.15: U3.25 65.72,70.49 62.74,67.51 J13.2
/USB_D+: length 0.8
  Top w0.8: 75.14,70.95 75.89,70.95 arc(75.89,70.94) 75.9,70.94 R24.2
/USB_D-: length 0.8
  Top w0.8: 75.14,70 75.18,69.96 arc(75.23,69.93) 75.28,69.92 R25.2
/V_USB: length 31.1
  Top w0.2: U7.4 78.71,66.82 arc(78.75,66.61) 78.87,66.43 79.64,65.65 79.64,65.2 R17.1 80.73,64.04 R39.1 81.75,62.59 82.41,61.93 Q4.1 ; 89.01,69.31 89.05,69.31 arc(89.33,69.36) 89.57,69.52 89.64,69.59 arc(89.84,69.9) 89.92,70.27 89.92,73.49 arc(89.91,73.5) 89.9,73.51
  Top w0.3: 88.47,69.31 89.01,69.31 arc(89.26,69.35) 89.47,69.5 89.7,69.72 arc(89.73,69.74) 89.76,69.75 ; J9.A9 89.01,74.11 arc(89.26,74.06) 89.47,73.91 89.87,73.52 arc(89.88,73.51) 89.9,73.51 arc(89.92,73.5) 89.93,73.49
  Top w0.6: D48.2 86.24,67.75 arc(86.53,67.8) 86.78,67.97 87.89,69.08 arc(88.14,69.25) 88.43,69.31 89.01,69.31 ; U7.4 78.71,67.29 arc(78.75,67.5) 78.87,67.68 arc(79.05,67.8) 79.26,67.85 85.83,67.85 ; 89.92,73.49 arc(89.92,73.49) 89.93,73.49 90.02,73.41 arc(90.09,73.29) 90.12,73.16 90.12,70.3 arc(90.08,70.09) 89.96,69.91 89.82,69.77 arc(89.8,69.76) 89.76,69.75
/XIN: length 7
  Top w0.15: 59.77,73.6 59.77,73.59 60.46,72.9 62.12,72.9 C43.1 62.71,72.74 65.15,72.74 65.41,72.49 U3.20
/XOUT: length 1.9
  Top w0.15: U3.21 64.32,72.09 R36.1
Net-(C42-Pad2): length 2.4
  Top w0.15: 60.92,72.15 60.99,72.23 C42.2 62.39,72.15 R36.2
Net-(D1-A): length 1.6
  Top w0.15: R7.1 83.82,84.76 83.82,85.08 D1.2
Net-(D2-K): length 1.6
  Top w0.15: R1.2 58.32,71.91 D2.1
Net-(D3-A): length 64.5
  Top w0.15: Q3.1 66.03,111.26 arc(66.35,111.19) 66.62,111.01 67.15,110.49 arc(67.5,110.25) 67.92,110.17 68.55,110.17 arc(68.71,110.13) 68.85,110.04 69.08,109.81 arc(69.35,109.41) 69.44,108.94 69.44,106.58 arc(69.39,106.34) 69.26,106.13 arc(69.05,106) 68.81,105.95 68.78,105.95 arc(68.57,105.99) 68.39,106.11 68.29,106.21 arc(68.23,106.24) 68.17,106.21 arc(68.11,106.17) 68.03,106.16 v1(66.64,106.16) 66.52,106.27 arc(66.43,106.41) 66.4,106.56 Q1.1 ; v1(70.23,65.58) 70.23,64.99 R2.2
  Bottom w0.15: 66.1,104.5 58.82,97.23 58.74,71.13 67.17,65.58 v1(70.23,65.58)
  Bottom w0.2: v1(66.64,106.16) 66.57,106.08 arc(66.51,106) 66.49,105.91 66.49,105.45 arc(66.39,104.94) 66.1,104.5
Net-(D3-K): length 1.6
  Top w0.15: D4.2 68.39,111.55
Net-(D5-DOUT): length 11.1
  Top w0.15: D6.3 64.94,87.56 arc(63.18,88.74) 61.09,89.16 D5.1
Net-(D6-DOUT): length 5.5
  Top w0.15: D6.1 70.49,83.88 arc(70.53,83.95) 70.54,84.02 70.54,87.18 arc(70.46,87.61) 70.21,87.98 69.88,88.31
Net-(D7-DOUT): length 8.6
  Top w0.15: D7.1 70.19,90.94 arc(69.31,91.52) 68.27,91.73 D9.3
Net-(D10-DIN): length 8.3
  Top w0.15: D10.3 61.36,90.02 arc(61.49,89.93) 61.65,89.9 D9.1
Net-(D10-DOUT): length 6.2
  Top w0.15: 53.07,99.37 53.07,96.56 arc(53.29,95.47) 53.9,94.55 D10.1
Net-(D11-DOUT): length 10.2
  Top w0.15: D12.3 48.97,101.8 arc(49.84,101.62) 50.57,101.13 D11.1
Net-(D12-DOUT): length 5.3
  Top w0.15: D12.1 38.11,102.9 arc(36.91,103.13) 35.89,103.81 D13.3
Net-(D14-DOUT): length 4.2
  Top w0.15: 60.98,80.95 58.83,78.8 arc(58.52,78.6) 58.16,78.53 D14.1
Net-(D15-DOUT): length 10
  Top w0.15: D15.1 61.1,83.76 arc(60.01,84.49) 58.72,84.75 D16.3
Net-(D16-DOUT): length 5.5
  Top w0.15: D17.3 47.33,86.78 arc(48.37,86.09) 49.59,85.85 D16.1
Net-(D17-DOUT): length 5
  Top w0.15: D17.1 43.03,89.08 arc(41.85,89.31) 40.84,89.98 D18.3
Net-(D18-DOUT): length 6.7
  Top w0.15: D18.1 35.89,94.2 arc(35.24,95.17) 35.01,96.32 D19.3
Net-(D19-DOUT): length 6.1
  Top w0.15: D20.3 40.01,98.37 arc(38.88,99.13) 37.55,99.39 36.11,99.39
Net-(D20-DOUT): length 7.1
  Top w0.15: D21.3 46.77,94.96 arc(45.75,95.64) 44.54,95.89 43.23,95.89
Net-(D22-DOUT): length 6.9
  Top w0.15: D23.3 43.58,75.9 arc(43.55,75.74) 43.46,75.61 40.54,72.69 arc(40.16,72.44) 39.71,72.35 39.67,72.35 arc(39.26,72.27) 38.92,72.04 D22.1
Net-(D23-DOUT): length 6.1
  Top w0.15: D23.1 41.19,76.61 arc(40.57,76.19) 39.84,76.05 D24.3
Net-(D24-DOUT): length 4
  Top w0.15: D24.1 34.17,77.81 arc(34.05,78.43) 33.7,78.95 D25.3
Net-(D25-DOUT): length 6.9
  Top w0.15: D25.1 29.38,82.54 arc(28.62,83.68) 28.35,85.01 D26.3
Net-(D26-DOUT): length 9.6
  Top w0.15: D27.3 37.43,86.09 arc(37.38,86.32) 37.25,86.51 35.77,88 arc(34,89.18) 31.92,89.59 D26.1
Net-(D27-DOUT): length 2.5
  Top w0.15: D27.1 39.26,83.56 arc(39.34,83.14) 39.58,82.78 D28.3
Net-(D28-DOUT): length 6.3
  Top w0.15: D28.1 47.27,81.36 arc(47.52,81.31) 47.73,81.17 D29.3
Net-(D30-DOUT): length 9.4
  Top w0.15: 55.56,55.25 55.56,55.49 56.09,56.02 62.24,56.02 62.38,55.88 arc(63.03,55.75) 63.58,55.38 D30.1
Net-(D31-DOUT): length 4.6
  Top w0.15: D32.3 52.92,57.28 arc(53.33,57.56) 53.81,57.66 53.85,57.69 55.92,57.69 55.95,57.66 arc(56.08,57.63) 56.18,57.56 D31.1
Net-(D32-DOUT): length 3.5
  Top w0.15: D33.3 49.29,55.64 arc(49.91,55.23) 50.65,55.08 D32.1
Net-(D33-DOUT): length 4.1
  Top w0.15: 48.68,60.96 47.03,59.3 arc(46.7,58.81) 46.59,58.24 D33.1
Net-(D34-DOUT): length 3.8
  Top w0.15: D34.1 50.95,60.3 arc(51.27,60.78) 51.38,61.35 D35.3
Net-(D35-DOUT): length 4.8
  Top w0.15: D36.3 49.13,66.96 arc(49.4,67.15) 49.73,67.21 50.15,67.21 arc(50.86,67.07) 51.47,66.66 52.31,65.83 arc(52.44,65.63) 52.48,65.4 D35.1
Net-(D36-DOUT): length 3
  Top w0.15: D36.1 47.05,68.33 arc(47.15,68.8) 47.42,69.2 D37.3
Net-(D39-DOUT): length 6.2
  Top w0.15: D40.3 49.17,108.55 arc(48.23,109.17) 47.12,109.4 D39.1
Net-(D40-DOUT): length 6.5
  Top w0.15: D41.3 58.83,105.17 arc(58.44,105.43) 57.98,105.53 D40.1
Net-(D41-DOUT): length 6.2
  Top w0.15: D41.1 61.57,103.17 arc(61.97,102.56) 62.11,101.85 D42.3
Net-(D42-DOUT): length 5.2
  Top w0.15: D43.3 66.65,100.2 arc(66.52,99.56) 66.16,99.01 D42.1
Net-(D43-DOUT): length 7.1
  Top w0.15: D43.1 69.36,101.12 arc(70.24,99.81) 70.55,98.26 D44.3
Net-(D44-DOUT): length 6.8
  Top w0.15: D45.3 73.32,90.3 arc(72.62,91.35) 72.38,92.58 D44.1
Net-(D45-DOUT): length 5.9
  Top w0.15: 76.11,88.26 D46.3
Net-(J9-CC1): length 2.8
  Top w0.15: J9.A5 88.45,70.46 arc(88.26,70.42) 88.09,70.31 87.98,70.19 arc(87.95,70.15) 87.94,70.11 arc(87.93,70.07) 87.91,70.03 87.67,69.79 arc(87.36,69.59) 87,69.52 R19.1
Net-(J9-CC2): length 1.9
  Top w0.2: J9.B5 87.63,73.46 arc(87.36,73.4) 87.14,73.26 R18.1
Net-(LD1-C): length 4
  Top w0.15: Q1.3 63.77,108.81 arc(63.08,108.94) 62.49,109.34 LD1.1
